# Altium PCB ASP-1.PcbDoc (part 1 of 3) (continued)
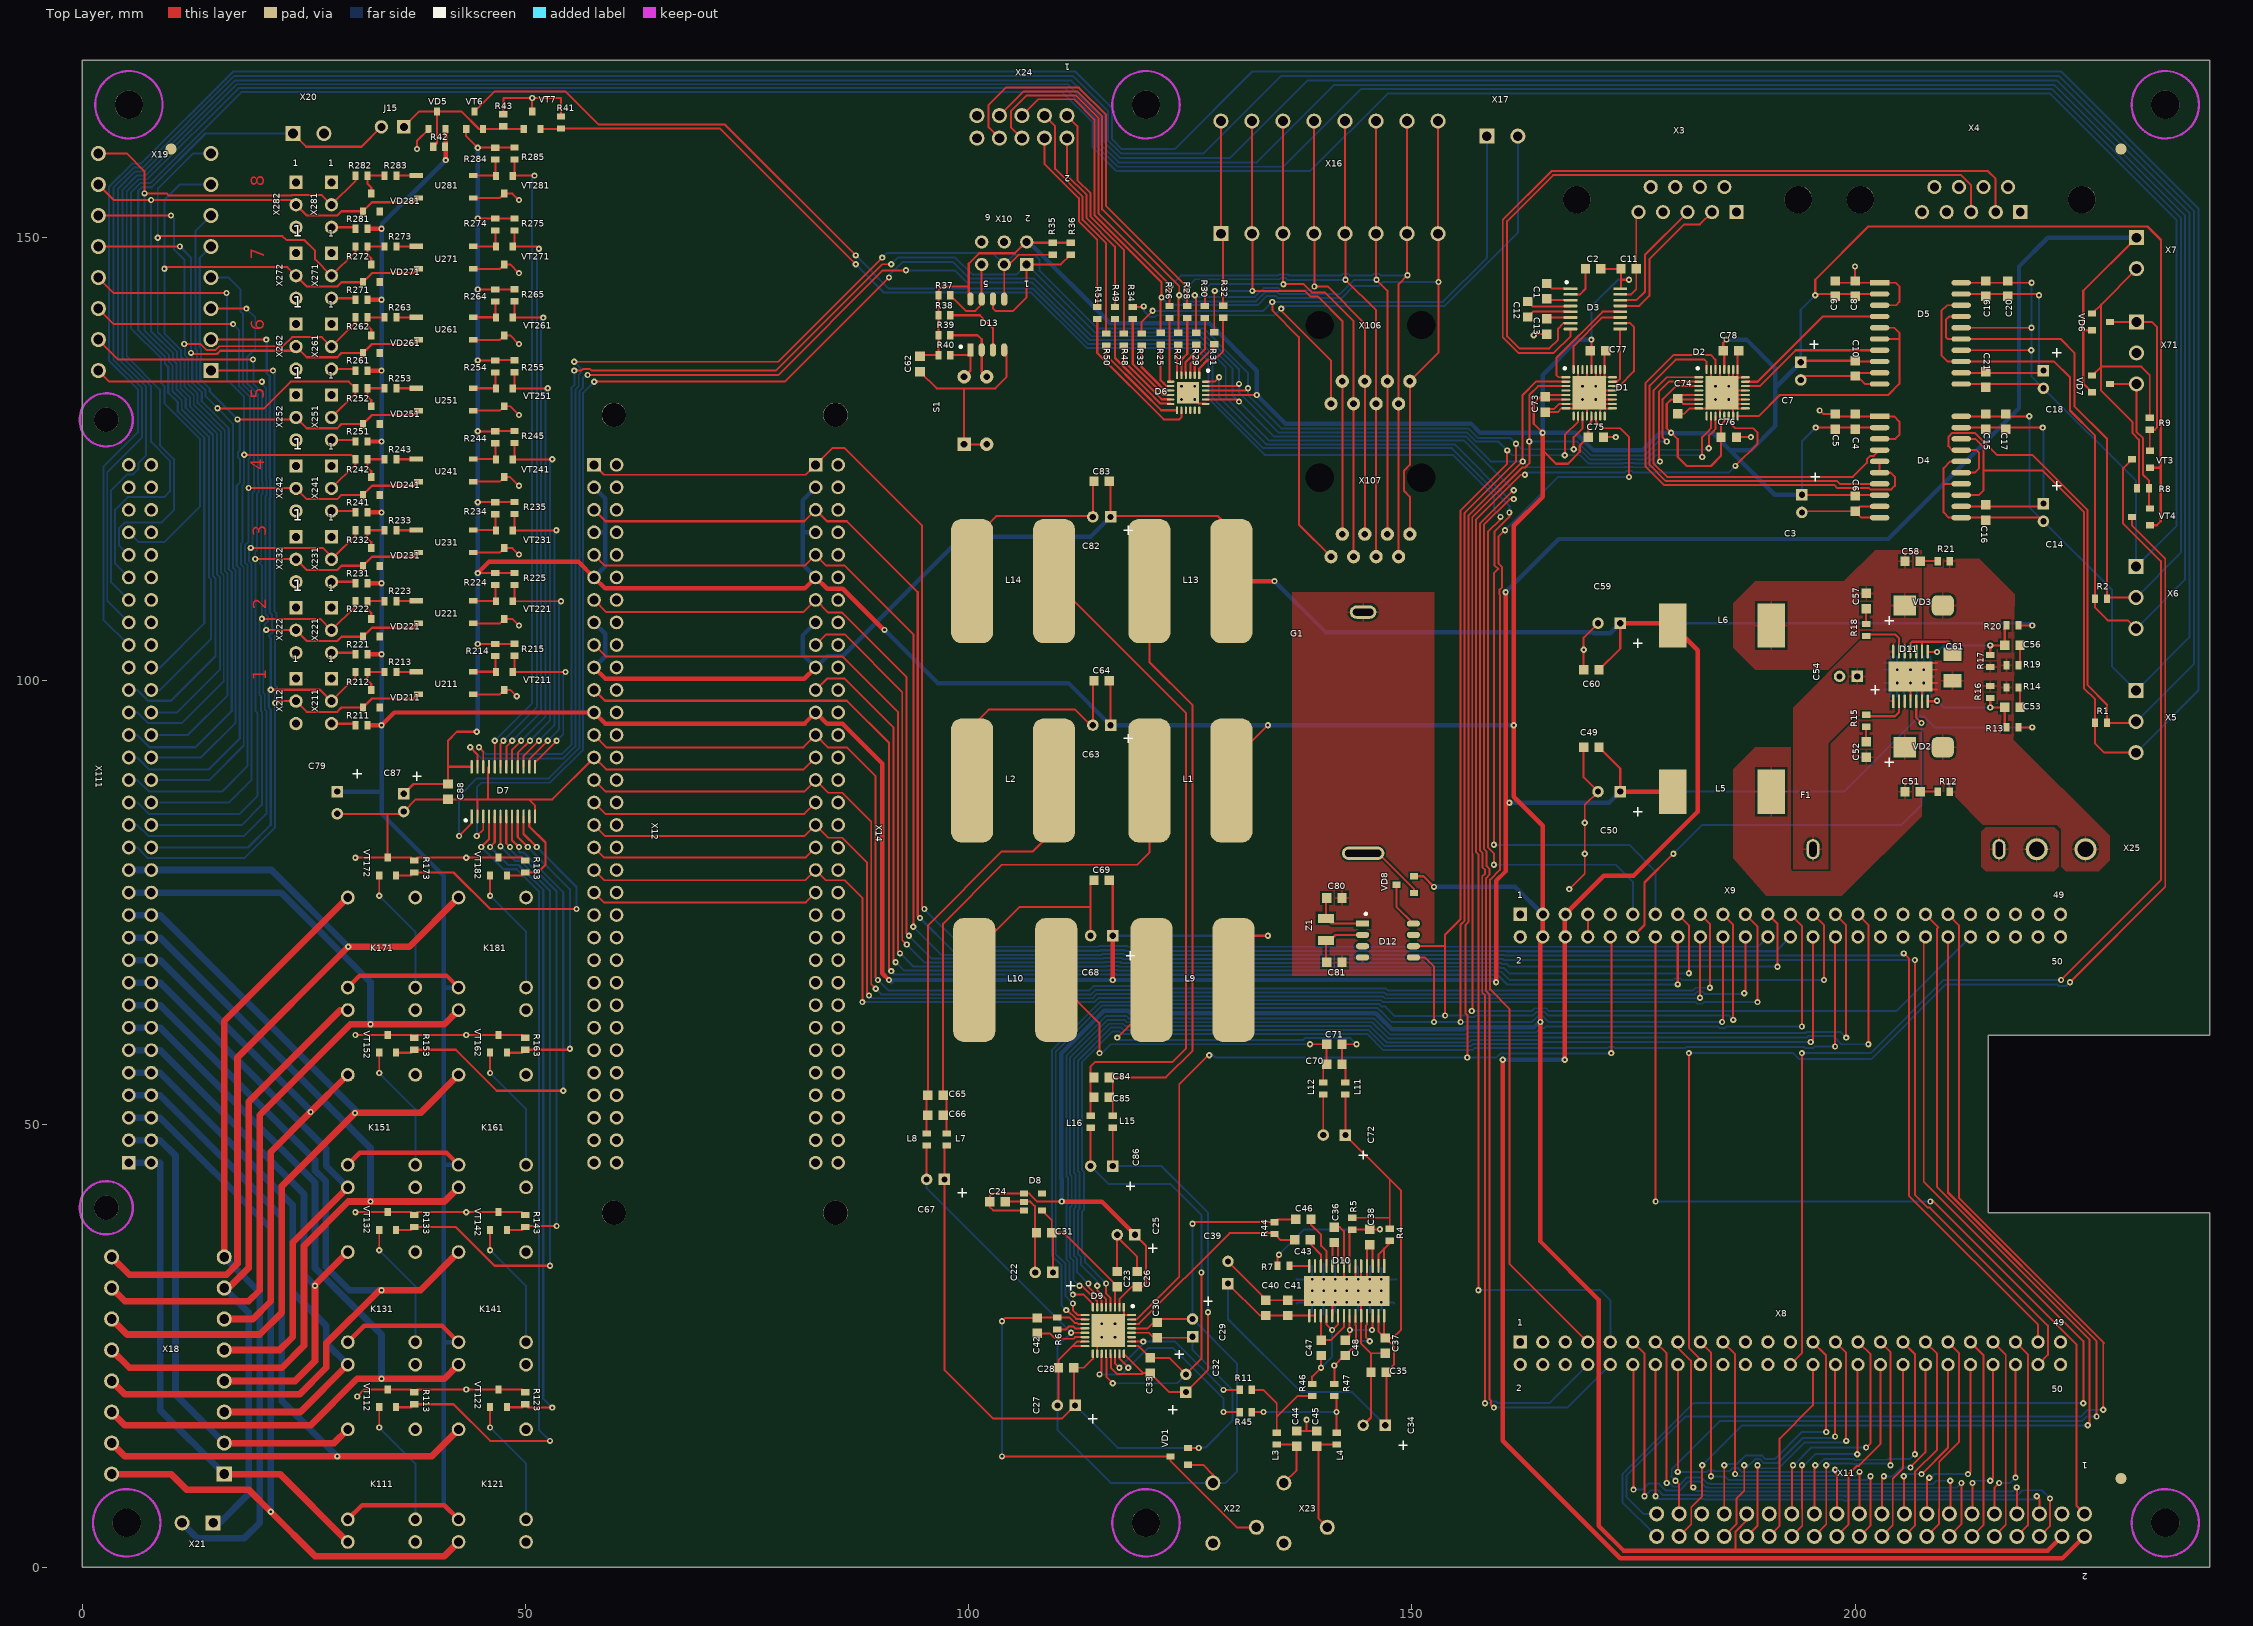
[diagram p0: Top Layer view]
## Components (designator, comment, footprint, x,y, rotation, side; value= is the part's Value field where it differs from the comment) (continued)
R272 "510" R0603 31.5,149 r180 top (schematic designator R2)
R273 "510" R0603 34.75,149 r180 top (schematic designator R3)
R274 "4.7K" R0603 46.6,151.48 r90 top (schematic designator R4)
R275 "4.7K" R0603 48.75,151.5 r90 top (schematic designator R5)
R281 "510" R0603 31.5,151 r180 top (schematic designator R1)
R282 "510" R0603 31.5,157 r180 top (schematic designator R2)
R283 "510" R0603 34.75,157 r180 top (schematic designator R3)
R284 "4.7K" R0603 46.6,159.48 r90 top (schematic designator R4)
R285 "4.7K" R0603 48.75,159.5 r90 top (schematic designator R5)
S1 "SW DIP-2" DipSw2 100.75,130.5 r0 top
U211 "MOC207M" SOP4 41,99.75 r0 top (schematic designator U1)
U221 "MOC207M" SOP4 41,107.75 r0 top (schematic designator U1)
U231 "MOC207M" SOP4 41,115.75 r0 top (schematic designator U1)
U241 "MOC207M" SOP4 41,123.75 r0 top (schematic designator U1)
U251 "MOC207M" SOP4 41,131.75 r0 top (schematic designator U1)
U261 "MOC207M" SOP4 41,139.75 r0 top (schematic designator U1)
U271 "MOC207M" SOP4 41,147.75 r0 top (schematic designator U1)
U281 "MOC207M" SOP4 41,155.75 r0 top (schematic designator U1)
VD1 "BAT54S" SOT23 123.75,12.5 r90 top
VD2 "MBRA340" DiodeSMB 207.75,92.5 r180 top
VD3 "MBRA340" DiodeSMB 207.75,108.5 r180 top
VD5 "BAT54S" SOT23 40,163.25 r0 top
VD6 "BAT54S" SOT23 227.75,140.5 r270 top
VD7 "BAT54S" SOT23 227.75,133.5 r270 top
VD8 "BAT54C" SOT23 149.25,77 r90 top
VD211 "BAT54S" SOT23 32.6,97.98 r0 top (schematic designator VD1)
VD221 "BAT54S" SOT23 32.6,105.98 r0 top (schematic designator VD1)
VD231 "BAT54S" SOT23 32.6,113.98 r0 top (schematic designator VD1)
VD241 "BAT54S" SOT23 32.6,121.98 r0 top (schematic designator VD1)
VD251 "BAT54S" SOT23 32.6,129.98 r0 top (schematic designator VD1)
VD261 "BAT54S" SOT23 32.6,137.98 r0 top (schematic designator VD1)
VD271 "BAT54S" SOT23 32.6,145.98 r0 top (schematic designator VD1)
VD281 "BAT54S" SOT23 32.6,153.98 r0 top (schematic designator VD1)
VT3 "BSS138LT3G" SOT23 232.25,125 r90 top
VT4 "BSS138LT3G" SOT23 232.25,118.5 r90 top
VT6 "BSS138LT3G" SOT23 44.25,163.25 r0 top
VT7 "BSS138LT3G" SOT23 50.75,163.25 r0 top
VT112 "BSS138LT3G" SOT23 34.44,19.05 r0 top (schematic designator VT2)
VT122 "BSS138LT3G" SOT23 46.94,19.05 r0 top (schematic designator VT2)
VT132 "BSS138LT3G" SOT23 34.44,39.05 r0 top (schematic designator VT2)
VT142 "BSS138LT3G" SOT23 46.94,39.05 r0 top (schematic designator VT2)
VT152 "BSS138LT3G" SOT23 34.44,59.05 r0 top (schematic designator VT2)
VT162 "BSS138LT3G" SOT23 46.94,59.05 r0 top (schematic designator VT2)
VT172 "BSS138LT3G" SOT23 34.44,79.05 r0 top (schematic designator VT2)
VT182 "BSS138LT3G" SOT23 46.94,79.05 r0 top (schematic designator VT2)
VT211 "BSS138LT3G" SOT23 47.6,99.98 r180 top (schematic designator VT1)
VT221 "BSS138LT3G" SOT23 47.6,107.98 r180 top (schematic designator VT1)
VT231 "BSS138LT3G" SOT23 47.6,115.98 r180 top (schematic designator VT1)
VT241 "BSS138LT3G" SOT23 47.6,123.98 r180 top (schematic designator VT1)
VT251 "BSS138LT3G" SOT23 47.6,131.98 r180 top (schematic designator VT1)
VT261 "BSS138LT3G" SOT23 47.6,139.98 r180 top (schematic designator VT1)
VT271 "BSS138LT3G" SOT23 47.6,147.98 r180 top (schematic designator VT1)
VT281 "BSS138LT3G" SOT23 47.6,155.98 r180 top (schematic designator VT1)
X3 "D Connector 9" "DSUB MALE R/A" 181.1,154.3 r180 top
X4 "D Connector 9" "DSUB MALE R/A" 213.1,154.3 r180 top
X5 "Клеммник RS485" 15EDGRC-3.5-3 231.7,98.9 r0 top
X6 "Клеммник RS485" 15EDGRC-3.5-3 231.7,112.9 r0 top
X7 "Клеммник под Wiegand" 15EDGRC-3.5-2 231.75,150 r0 top
X8 "Header 25X2" HDR2X25 192.705,24.126 r0 top
X9 "Header 25X2" HDR2X25 192.705,72.386 r0 top
X10 "Header 3X2" HDR2X3 104,148.25 r180 top
X11 "Header 20X2" IDC-40 201.75,4.75 r180 top
X12 "Header 10X2" "DIN 41612 B VERTICAL" 59,85 r0 top
X14 "Header 10X2" "DIN 41612 B VERTICAL" 84,85 r0 top
X16 "Клеммник кнопок 1" 15EDGRT-3.5-16 128.45,150.45 r90 top
X17 "Клеммник кнопок 2" 15EDGRC-3.5-2 158.45,161.45 r90 top
X18 "Клеммник реле" 15EDGRT-3.5-16 16,10.5 r180 top
X19 "Клеммник сенсоров" 15EDGRT-3.5-16 14.5,135 r180 top
X20 "Клеммник под арбитраж" 15EDGRC-3.5-2 23.75,161.75 r90 top
X21 "Клеммник подсветки кнопки" 15EDGRC-3.5-2 14.75,5 r270 top
X22 "Jack mono" "Audio Jack AUB13" 130,2.7 r0 top
X23 "Jack mono" "Audio Jack AUB13" 138,2.7 r0 top
X24 "Клеммник NumPad" IDC-10 106,162.5 r180 top
X25 "Питание" MF-02RA 220.5,81 r90 top
X71 "Клеммник под Wiegand" 15EDGRC-3.5-3 231.75,140.5 r0 top
X106 "RJ45 под сервисный пульт 1" "RJ45 Vert FCI 90598-001LFc" 145.325,140.15 r270 top
X107 "RJ45 под сервисный пульт 2" "RJ45 Vert FCI 90598-001LFc" 145.325,122.9 r270 top
X111 "DIN 41612 RAQ" "DIN 41612 B RA" 6.5,85 r180 top
X211 "Header 3" "HDR1X3 100mil" 28.1,98.98 r0 top (schematic designator X1)
X212 "Header 3" "HDR1X3 100mil" 24.1,98.98 r0 top (schematic designator X2)
X221 "Header 3" "HDR1X3 100mil" 28.1,106.98 r0 top (schematic designator X1)
X222 "Header 3" "HDR1X3 100mil" 24.1,106.98 r0 top (schematic designator X2)
X231 "Header 3" "HDR1X3 100mil" 28.1,114.98 r0 top (schematic designator X1)
X232 "Header 3" "HDR1X3 100mil" 24.1,114.98 r0 top (schematic designator X2)
X241 "Header 3" "HDR1X3 100mil" 28.1,122.98 r0 top (schematic designator X1)
X242 "Header 3" "HDR1X3 100mil" 24.1,122.98 r0 top (schematic designator X2)
X251 "Header 3" "HDR1X3 100mil" 28.1,130.98 r0 top (schematic designator X1)
X252 "Header 3" "HDR1X3 100mil" 24.1,130.98 r0 top (schematic designator X2)
X261 "Header 3" "HDR1X3 100mil" 28.1,138.98 r0 top (schematic designator X1)
X262 "Header 3" "HDR1X3 100mil" 24.1,138.98 r0 top (schematic designator X2)
X271 "Header 3" "HDR1X3 100mil" 28.1,146.98 r0 top (schematic designator X1)
X272 "Header 3" "HDR1X3 100mil" 24.1,146.98 r0 top (schematic designator X2)
X281 "Header 3" "HDR1X3 100mil" 28.1,154.98 r0 top (schematic designator X1)
X282 "Header 3" "HDR1X3 100mil" 24.1,154.98 r0 top (schematic designator X2)
Z1 "XTAL 32.786kHz" Q1206 140.3,71.95 r270 top

## Footprints (in the part's own frame and the unit in brackets; to place one, negate y for a bottom-side part, rotate by r counter-clockwise, add the part's x,y. Pads: shape width x height; smd on the part's side, far side on the other; paste and mask are expansions set on the pad)
15EDGRC-3.5-2 [mm]
  rect 1.7x1.7 hole 1.1: 1(0,0)
  round 1.7 hole 1.1: 2(0,-3.5)
  body extent -1.2,-5.75 8,2.35, height 7
15EDGRC-3.5-3 [mm]
  rect 1.7x1.7 hole 1.1: 1(0,0)
  round 1.7 hole 1.1: 2(0,-3.5) 3(0,-7)
  body extent -1.2,-9.3 8,2.3, height 7
15EDGRT-3.5-16 [mm]
  rect 1.7x1.7 hole 1.1: 1(0,0)
  round 1.7 hole 1.1: 2(12.7,0) 3(0,-3.5) 4(12.7,-3.5) 5(0,-7) 6(12.7,-7) 7(0,-10.5) 8(12.7,-10.5) 9(0,-14) 10(12.7,-14) 11(0,-17.5) 12(12.7,-17.5) 13(0,-21) 14(12.7,-21) 15(0,-24.5) 16(12.7,-24.5)
  body extent -3.1,-26.95 18.8,2.45, height 22.55
"Audio Jack AUB13" [mm]
  round 1.7 hole 1.1: 1(-2.45,6.8) 2(2.45,1.8) 3(-2.45,0)
  body extent -3,-6 3,8.7, height 5.5
"BATHLD MPD BC2032-E2" [mm]
  oval 1.5x4.8 hole 0.8 slot 4.1 at 90 deg: +(-13.6,0)
  oval 1.5x3 hole 0.8 slot 2.3 at 90 deg: -(13.6,0)
  body extent -14.48,-10.67 14.48,10.67, height 5.08
C0603 [mm] "0603 capacitor"
  rect 1.05x1.08 smd: 1(-0.865,0) 2(0.865,0)
  body extent -0.8,-0.4 0.8,0.4, height 0.8
C1206 [mm] "1206 capacitor"
  rect 1.5x2 smd: 1(-1.5,0) 2(1.5,0)
  body extent -1.6,-0.8 1.6,0.8, height 1.6
"DIN 41612 B RA" [mm] "DIN 41612 B plug"
  round 2.75 hole 2.75 unplated: 0(3.81,44.45) 0(3.81,-44.45)
  rect 1.55x1.55 hole 1: A1(1.27,39.37)
  round 1.55 hole 1: A2(1.27,36.83) A3(1.27,34.29) A4(1.27,31.75) A5(1.27,29.21) A6(1.27,26.67) A7(1.27,24.13) A8(1.27,21.59) A9(1.27,19.05) A10(1.27,16.51) A11(1.27,13.97) A12(1.27,11.43) A13(1.27,8.89) A14(1.27,6.35) A15(1.27,3.81) A16(1.27,1.27) A17(1.27,-1.27) A18(1.27,-3.81) A19(1.27,-6.35) A20(1.27,-8.89) A21(1.27,-11.43) A22(1.27,-13.97) A23(1.27,-16.51) A24(1.27,-19.05) A25(1.27,-21.59) A26(1.27,-24.13) A27(1.27,-26.67) A28(1.27,-29.21) A29(1.27,-31.75) A30(1.27,-34.29) A31(1.27,-36.83) A32(1.27,-39.37) B1(-1.27,39.37) B2(-1.27,36.83) B3(-1.27,34.29) B4(-1.27,31.75) B5(-1.27,29.21) B6(-1.27,26.67) B7(-1.27,24.13) B8(-1.27,21.59) B9(-1.27,19.05) B10(-1.27,16.51) B11(-1.27,13.97) B12(-1.27,11.43) B13(-1.27,8.89) B14(-1.27,6.35) B15(-1.27,3.81) B16(-1.27,1.27) B17(-1.27,-1.27) B18(-1.27,-3.81) B19(-1.27,-6.35) B20(-1.27,-8.89) B21(-1.27,-11.43) B22(-1.27,-13.97) B23(-1.27,-16.51) B24(-1.27,-19.05) B25(-1.27,-21.59) B26(-1.27,-24.13) B27(-1.27,-26.67) B28(-1.27,-29.21) B29(-1.27,-31.75) B30(-1.27,-34.29) B31(-1.27,-36.83) B32(-1.27,-39.37)
  body extent -1.59,-46.92 13.92,46.93, height 6.92
"DIN 41612 B VERTICAL" [mm] "DIN 41612 B receptacle"
  round 2.75 hole 2.75 unplated: 0(0.97,-45) 0(0.97,45)
  rect 1.55x1.55 hole 1: A1(-1.27,39.37)
  round 1.55 hole 1: A2(-1.27,36.83) A3(-1.27,34.29) A4(-1.27,31.75) A5(-1.27,29.21) A6(-1.27,26.67) A7(-1.27,24.13) A8(-1.27,21.59) A9(-1.27,19.05) A10(-1.27,16.51) A11(-1.27,13.97) A12(-1.27,11.43) A13(-1.27,8.89) A14(-1.27,6.35) A15(-1.27,3.81) A16(-1.27,1.27) A17(-1.27,-1.27) A18(-1.27,-3.81) A19(-1.27,-6.35) A20(-1.27,-8.89) A21(-1.27,-11.43) A22(-1.27,-13.97) A23(-1.27,-16.51) A24(-1.27,-19.05) A25(-1.27,-21.59) A26(-1.27,-24.13) A27(-1.27,-26.67) A28(-1.27,-29.21) A29(-1.27,-31.75) A30(-1.27,-34.29) A31(-1.27,-36.83) A32(-1.27,-39.37) B1(1.27,39.37) B2(1.27,36.83) B3(1.27,34.29) B4(1.27,31.75) B5(1.27,29.21) B6(1.27,26.67) B7(1.27,24.13) B8(1.27,21.59) B9(1.27,19.05) B10(1.27,16.51) B11(1.27,13.97) B12(1.27,11.43) B13(1.27,8.89) B14(1.27,6.35) B15(1.27,3.81) B16(1.27,1.27) B17(1.27,-1.27) B18(1.27,-3.81) B19(1.27,-6.35) B20(1.27,-8.89) B21(1.27,-11.43) B22(1.27,-13.97) B23(1.27,-16.51) B24(1.27,-19.05) B25(1.27,-21.59) B26(1.27,-24.13) B27(1.27,-26.67) B28(1.27,-29.21) B29(1.27,-31.75) B30(1.27,-34.29) B31(1.27,-36.83) B32(1.27,-39.37)
  body extent -4.03,-46.93 4.02,46.93, height 12
DiodeSMB [mm] "SMB Diode"
  rrect50% 2.5x2.3 smd: 1(-2.15,0)
  rect 2.5x2.3 smd: 2(2.15,0)
  silkscreen extent 3.4,1.2 4.4,2.2, body extent -2.25,-1.95 2.25,1.95, height 2.5
DipSw2 [mil]
  rect 60x60 hole 30: 1(-50,-150)
  round 60 hole 30: 2(-50,150) 3(50,-150) 4(50,150)
  body extent -129,-195 129,195, height 307
"DSUB MALE R/A" [mm]
  round 3.1 hole 3.1 unplated: 0(-12.5,0) 0(12.5,0)
  rect 1.6x1.6 hole 1: 1(-5.54,1.42)
  round 1.6 hole 1: 2(-2.77,1.42) 3(0,1.42) 4(2.77,1.42) 5(5.54,1.42) 6(-4.155,-1.42) 7(-1.385,-1.42) 8(1.385,-1.42) 9(4.155,-1.42)
  body extent -15.41,-15.7 15.4,3.45, height 12.55
"Fuse hld fh-101" [mm]
  oval 1.5x2.3 hole 0.8 slot 1.7 at 90 deg: 1(-10.5,0) 2(10.5,0)
  body extent -12,-4.9 12,4.9, height 11
"HDR1X3 100mil" [mm] "Connector; Header; 23x2 Position"
  rect 1.5x1.5 hole 0.9: 1(0,1.27)
  round 1.5 hole 0.9: 2(0,-1.27) 3(0,-3.81)
  body extent -1.27,-5.08 1.27,2.54, height 10.29
HDR2X1 [mm] "Connector; Header; 23x2 Position"
  rect 1.5x1.5 hole 0.9: 1(0,1.27)
  round 1.5 hole 0.9: 2(0,-1.27)
  body extent -1.27,-2.54 1.27,2.54, height 10.29
HDR2X3 [mm] "Connector; Header; 23x2 Position"
  rect 1.5x1.5 hole 0.9: 1(-2.54,1.27)
  round 1.5 hole 0.9: 2(-2.54,-1.27) 3(0,1.27) 4(0,-1.27) 5(2.54,1.27) 6(2.54,-1.27)
  body extent -3.81,-2.54 3.81,2.54, height 10.29
HDR2X25 [mm] "Connector; Header; 23x2 Position"
  rect 1.5x1.5 hole 0.9: 1(-30.48,1.27)
  round 1.5 hole 0.9: 2(-30.48,-1.27) 3(-27.94,1.27) 4(-27.94,-1.27) 5(-25.4,1.27) 6(-25.4,-1.27) 7(-22.86,1.27) 8(-22.86,-1.27) 9(-20.32,1.27) 10(-20.32,-1.27) 11(-17.78,1.27) 12(-17.78,-1.27) 13(-15.24,1.27) 14(-15.24,-1.27) 15(-12.7,1.27) 16(-12.7,-1.27) 17(-10.16,1.27) 18(-10.16,-1.27) 19(-7.62,1.27) 20(-7.62,-1.27) 21(-5.08,1.27) 22(-5.08,-1.27) 23(-2.54,1.27) 24(-2.54,-1.27) 25(0,1.27) 26(0,-1.27) 27(2.54,1.27) 28(2.54,-1.27) 29(5.08,1.27) 30(5.08,-1.27) 31(7.62,1.27) 32(7.62,-1.27) 33(10.16,1.27) 34(10.16,-1.27) 35(12.7,1.27) 36(12.7,-1.27) 37(15.24,1.27) 38(15.24,-1.27) 39(17.78,1.27) 40(17.78,-1.27) 41(20.32,1.27) 42(20.32,-1.27) 43(22.86,1.27) 44(22.86,-1.27) 45(25.4,1.27) 46(25.4,-1.27) 47(27.94,1.27) 48(27.94,-1.27) 49(30.48,1.27) 50(30.48,-1.27)
  body extent -31.75,-2.54 31.75,2.54, height 10.29
HTSSOP14 [mm] "14Pin PowerPAD Plastic Small Outline"
  rect 1.55x0.25 smd: 1(-2.8,1.95)
  oval 1.55x0.25 smd: 2(-2.8,1.3) 3(-2.8,0.65) 4(-2.8,0) 5(-2.8,-0.65) 6(-2.8,-1.3) 7(-2.8,-1.95) 8(2.8,-1.95) 9(2.8,-1.3) 10(2.8,-0.65) 11(2.8,0) 12(2.8,0.65) 13(2.8,1.3) 14(2.8,1.95)
  rect 3.4x5 smd paste-2.5 mask-2.5: 15(0,0)
  body extent -2.22,-2.6 2.22,2.6, height 1.2
HTSSOP28 [mm] "28Pin PowerPAD Plastic Small Outline"
  rect 1.55x0.25 smd: 1(-2.8,4.225)
  oval 1.55x0.25 smd: 2(-2.8,3.575) 3(-2.8,2.925) 4(-2.8,2.275) 5(-2.8,1.625) 6(-2.8,0.975) 7(-2.8,0.325) 8(-2.8,-0.325) 9(-2.8,-0.975) 10(-2.8,-1.625) 11(-2.8,-2.275) 12(-2.8,-2.925) 13(-2.8,-3.575) 14(-2.8,-4.225) 15(2.8,-4.225) 16(2.8,-3.575) 17(2.8,-2.925) 18(2.8,-2.275) 19(2.8,-1.625) 20(2.8,-0.975) 21(2.8,-0.325) 22(2.8,0.325) 23(2.8,0.975) 24(2.8,1.625) 25(2.8,2.275) 26(2.8,2.925) 27(2.8,3.575) 28(2.8,4.225)
  rect 3.4x9.7 smd paste-5 mask-5: 29(0,0)
  body extent -2.2,-4.85 2.2,4.85, height 1.2
HVQFN32 [mm] "32-Pin Quad Flat No-leads Pack Thermal Enhanced"
  rrect50% 1x0.25 smd: 1(-2.625,1.75)
  oval 1x0.25 smd: 2(-2.625,1.25) 3(-2.625,0.75) 4(-2.625,0.25) 5(-2.625,-0.25) 6(-2.625,-0.75) 7(-2.625,-1.25) 8(-2.625,-1.75) 17(2.625,-1.75) 18(2.625,-1.25) 19(2.625,-0.75) 20(2.625,-0.25) 21(2.625,0.25) 22(2.625,0.75) 23(2.625,1.25) 24(2.625,1.75)
  oval 0.25x1 smd: 9(-1.75,-2.625) 10(-1.25,-2.625) 11(-0.75,-2.625) 12(-0.25,-2.625) 13(0.25,-2.625) 14(0.75,-2.625) 15(1.25,-2.625) 16(1.75,-2.625) 25(1.75,2.625) 26(1.25,2.625) 27(0.75,2.625) 28(0.25,2.625) 29(-0.25,2.625) 30(-0.75,2.625) 31(-1.25,2.625) 32(-1.75,2.625)
  rect 3.75x3.75 smd paste-4: 33(0,0)
  Top Layer pour cut-out: -2.5,2.5 -2,2.5 -2,2 -2.5,2
  silkscreen extent -2.87,2.63 -2.62,2.87, body extent -2.5,-2.5 2.5,2.5, height 0.8
I0603 [mm] "0603 Inductor"
  rect 0.7x0.95 smd: 1(-0.675,0) 2(0.675,0)
  body extent -0.77,-0.43 0.77,0.43, height 0.8
IDC-10 [mm] "10 Pin IDC Plug TH"
  round 1.7 hole 1.1: 1(-5.08,-1.27) 2(-5.08,1.27) 3(-2.54,-1.27) 4(-2.54,1.27) 5(0,-1.27) 6(0,1.27) 7(2.54,-1.27) 8(2.54,1.27) 9(5.08,-1.27) 10(5.08,1.27)
  body extent -8.25,-4.64 8.26,4.64, height 8.89
IDC-40 [mm] "40 Pin IDC Plug TH"
  round 1.7 hole 1.1: 1(-24.13,-1.27) 2(-24.13,1.27) 3(-21.59,-1.27) 4(-21.59,1.27) 5(-19.05,-1.27) 6(-19.05,1.27) 7(-16.51,-1.27) 8(-16.51,1.27) 9(-13.97,-1.27) 10(-13.97,1.27) 11(-11.43,-1.27) 12(-11.43,1.27) 13(-8.89,-1.27) 14(-8.89,1.27) 15(-6.35,-1.27) 16(-6.35,1.27) 17(-3.81,-1.27) 18(-3.81,1.27) 19(-1.27,-1.27) 20(-1.27,1.27) 21(1.27,-1.27) 22(1.27,1.27) 23(3.81,-1.27) 24(3.81,1.27) 25(6.35,-1.27) 26(6.35,1.27) 27(8.89,-1.27) 28(8.89,1.27) 29(11.43,-1.27) 30(11.43,1.27) 31(13.97,-1.27) 32(13.97,1.27) 33(16.51,-1.27) 34(16.51,1.27) 35(19.05,-1.27) 36(19.05,1.27) 37(21.59,-1.27) 38(21.59,1.27) 39(24.13,-1.27) 40(24.13,1.27)
  body extent -27.3,-4.64 27.3,4.64, height 8.89
MF-02RA [mm]
  round 2.5 hole 1.8: 1(0,0) 2(0,-5.5)
  body extent -3.3,-19.43 3.3,0.5, height 11.4
Q1206 [mm] "1206 quartz"
  rect 1x1.8 smd: 1(-1.25,0) 2(1.25,0)
  body extent -1.6,-0.75 1.6,0.75, height 0.8
R0603 [mm] "0603 Resistor"
  rect 0.7x0.95 smd: 1(-0.675,0) 2(0.675,0)
  body extent -0.77,-0.43 0.77,0.43, height 0.55
RAD-2-5-11 [mm] "Cap Radial 5x11 mm"
  rect 1.3x1.3 hole 0.7: 1(0,-1)
  round 1.3 hole 0.7: 2(0,1)
  silkscreen extent -2,-3.5 -1,-2.5, body extent -2.5,-2.5 2.5,2.5, height 11
RAD-2.5-6.3-11 [mm] "Cap Radial 6.3x11 mm"
  rect 1.3x1.3 hole 0.7: 1(0,-1.25)
  round 1.3 hole 0.7: 2(0,1.25)
  silkscreen extent -2.75,-3.75 -1.75,-2.75, body extent -3.15,-3.15 3.15,3.15, height 11
"RJ45 Vert FCI 90598-001LFc" [mm]
  round 0 hole 3.2 unplated: 0(0,5.715) 0(0,-5.715)
  round 1.5 hole 0.762: 1(6.35,4.445) 2(8.89,3.175) 3(6.35,1.905) 4(8.89,0.635) 5(6.35,-0.635) 6(8.89,-1.905) 7(6.35,-3.175) 8(8.89,-4.445)
  body extent -6.47,-8.89 9.91,8.89, height 15.66
SDR1307 [mm] "Inductor"
  rrect50% 4.75x14 smd: 1(-4.625,0) 2(4.625,0)
  body extent -6.5,-6.5 6.5,6.5, height 7
"SO20 300mil" [mm] "20-Pin SOIC 300mil 7.6mm"
  rect 2.2x0.6 smd: 1(-4.6,5.715)
  oval 2.2x0.6 smd: 2(-4.6,4.445) 3(-4.6,3.175) 4(-4.6,1.905) 5(-4.6,0.635) 6(-4.6,-0.635) 7(-4.6,-1.905) 8(-4.6,-3.175) 9(-4.6,-4.445) 10(-4.6,-5.715) 11(4.6,-5.715) 12(4.6,-4.445) 13(4.6,-3.175) 14(4.6,-1.905) 15(4.6,-0.635) 16(4.6,0.635) 17(4.6,1.905) 18(4.6,3.175) 19(4.6,4.445) 20(4.6,5.715)
  body extent -3.8,-6.5 3.8,6.5, height 2.65
"soic8 4mm" [mm] "8-Pin SOIC 153 mil 4 mm"
  rect 1.5x0.7 smd: 1(-2.87,1.905)
  oval 1.5x0.7 smd: 2(-2.87,0.635) 3(-2.87,-0.635) 4(-2.87,-1.905) 5(2.87,-1.905) 6(2.87,-0.635) 7(2.87,0.635) 8(2.87,1.905)
  silkscreen extent -2.62,2.88 -2.37,3.12, body extent -2,-2.5 2,2.5, height 1.75
"SOIC8 4mm" [mm] "8-Pin SOIC 153 mil 4 mm"
  rect 1.5x0.7 smd: 1(-2.87,1.905)
  oval 1.5x0.7 smd: 2(-2.87,0.635) 3(-2.87,-0.635) 4(-2.87,-1.905) 5(2.87,-1.905) 6(2.87,-0.635) 7(2.87,0.635) 8(2.87,1.905)
  silkscreen extent -2.62,2.87 -2.38,3.12, body extent -2,-2.5 2,2.5, height 1.75
SOP4 [mm]
  rect 1.5x0.6 smd: 1(-3.35,1.27)
  rect 1x0.6 smd: 2(-3.1,-1.27) 3(3.1,-1.27) 4(3.1,1.27)
  body extent -2.2,-1.6 2.2,1.6, height 2
SOT23 [mm]
  rect 0.7x0.9 smd: 1(-0.95,-1) 2(0.95,-1) 3(0,1)
  body extent -1.55,-0.6 1.55,0.6, height 1.15
sot25 [mm]
  rect 0.7x0.9 smd: 1(0.95,1) 2(0,1) 3(-0.95,1.025) 4(-0.95,-1) 5(0.95,-1)
  body extent -1.55,-0.6 1.55,0.6, height 1.15
SRP1265A [mm] "Bourns Power Inductor"
  rect 3.1x5 smd: 1(-5.55,0) 2(5.55,0)
  body extent -6.75,-6.25 6.75,6.25, height 6.2
TRB [mm] "TRB Relay"
  round 1.55 hole 1: 1(-3.81,6.35) 2(-3.81,-3.81) 3(-3.81,-6.35) 4(3.81,-6.35) 5(3.81,-3.81) 6(3.81,6.35)
  body extent -5.2,-7.85 5.2,7.85, height 11.7
TSSOP16 [mm]
  rect 1.55x0.3 smd: 1(-2.8,2.275)
  rrect50% 1.55x0.3 smd: 2(-2.8,1.625) 3(-2.8,0.975) 4(-2.8,0.325) 5(-2.8,-0.325) 6(-2.8,-0.975) 7(-2.8,-1.625) 8(-2.8,-2.275) 9(2.8,-2.275) 10(2.8,-1.625) 11(2.8,-0.975) 12(2.8,-0.325) 13(2.8,0.325) 14(2.8,0.975) 15(2.8,1.625) 16(2.8,2.275)
  silkscreen extent -3.37,2.88 -3.13,3.12, body extent -2.25,-2.55 2.25,2.55, height 1.2
TSSOP24 [mm]
  rect 1.55x0.25 smd: 1(-2.8,3.575)
  oval 1.55x0.25 smd: 2(-2.8,2.925) 3(-2.8,2.275) 4(-2.8,1.625) 5(-2.8,0.975) 6(-2.8,0.325) 7(-2.8,-0.325) 8(-2.8,-0.975) 9(-2.8,-1.625) 10(-2.8,-2.275) 11(-2.8,-2.925) 12(-2.8,-3.575) 13(2.8,-3.575) 14(2.8,-2.925) 15(2.8,-2.275) 16(2.8,-1.625) 17(2.8,-0.975) 18(2.8,-0.325) 19(2.8,0.325) 20(2.8,0.975) 21(2.8,1.625) 22(2.8,2.275) 23(2.8,2.925) 24(2.8,3.575)
  silkscreen extent -3.37,4.12 -3.13,4.37, body extent -2.25,-3.95 2.25,3.95, height 1.2
WQFN24 [mm]
  rrect50% 0.85x0.25 smd: 1(-1.975,1.25)
  oval 0.85x0.25 smd: 2(-1.975,0.75) 3(-1.975,0.25) 4(-1.975,-0.25) 5(-1.975,-0.75) 6(-1.975,-1.25) 13(1.975,-1.25) 14(1.975,-0.75) 15(1.975,-0.25) 16(1.975,0.25) 17(1.975,0.75) 18(1.975,1.25)
  oval 0.25x0.85 smd: 7(-1.25,-1.975) 8(-0.75,-1.975) 9(-0.25,-1.975) 10(0.25,-1.975) 11(0.75,-1.975) 12(1.25,-1.975) 19(1.25,1.975) 20(0.75,1.975) 21(0.25,1.975) 22(-0.25,1.975) 23(-0.75,1.975) 24(-1.25,1.975)
  rect 2.45x2.45 smd paste-3: 25(0,0)
  Top Layer pour cut-out: -2,2 -1.5,2 -1.5,1.5 -2,1.5
  silkscreen extent -2.62,2.13 -2.38,2.38, body extent -2,-2 2,2, height 0.8

## Part data
C1 C2 C4 C5 C6 C8 C9 C10 C11 C12 C13 C15 C16 C17 C19 C20 C21 C23 C24 C26 C28 C30 C31 C33 C35 C36 C37 C38 C40 C41 C42 C43 C44 C45 C46 C47 C48 C49 C51 C52 C53 C56 C57 C58 C60 C61 C62 C64 C65 C66 C69 C70 C71 C73 C74 C75 C76 C77 C78 C80 C81 C83 C84 C85 C88: library part Cap, "Capacitor"
C3 C7 C14 C18 C22 C25 C27 C29 C32 C54 C87: library part "Cap Pol3", "Polarized Capacitor (Surface Mount)"
C34 C39 C50 C59 C63 C67 C68 C72 C79 C82 C86: library part "Cap Pol3", "Polarized Capacitor (Axial)"
D3: library part TRS3232ECPWR, "RS-232 Line Driver/ Receiver"
D6: "I2C Keypad Scan IC"
D7: "Remote 16-Bit I2C and SMBus"
D8: "Single 150mA LDO"
D9: "Low-Power Audio CODEC"
D10: "10 W Mono Class-D Amplifier"
D12: library part PCF8563, "Real Time Clock"
D13: "256 kb Serial CMOS EEPROM"
F1: "Fuse"
G1: "2032 Battery holder"
J15: "Jumper Wire"
K111 K121 K131 K141 K151 K161 K171 K181: "Single-Pole Single-Throw Relay"
L1 L2 L3 L4 L7 L8 L9 L10 L11 L12 L13 L14 L15 L16: library part Inductor, "Inductor"
L5: library part "Inductor Iron", "Magnetic-Core Inductor"
L6: library part "Inductor Iron", "Inductor 47uH 4A"
R1 R2 R12 R13 R14 R15 R16 R17 R18 R19 R20 R21 R25 R26 R27 R28 R29 R30 R31 R32 R33 R34 R35 R36 R37 R38 R39 R40 R48 R49 R50 R51 R211 R212 R213 R214 R215 R221 R222 R223 R224 R225 R231 R232 R233 R234 R235 R241 R242 R243 R244 R245 R251 R252 R253 R254 R255 R261 R262 R263 R264 R265 R271 R272 R273 R274 R275 R281 R282 R283 R284 R285: library part Res3, "Resistor"
R4 R5 R6 R7 R8 R9 R41 R42 R43 R44 R113 R123 R133 R143 R153 R163 R173 R183: library part Res2, "Resistor"
R11 R45 R46 R47: "Resistor"
S1: "DIP Switch, 2 Position, SPST"
U211 U221 U231 U241 U251 U261 U271 U281: library part Optoisolator1, "4-Pin Phototransistor Optocoupler"
VD1 VD5 VD6 VD7 VD211 VD221 VD231 VD241 VD251 VD261 VD271 VD281: library part Diode_DblSeries, "Schottky Diode"
VD2 VD3: library part "D Schottky", "Schottky Diode"
VD8: library part Diode_DblComCath, "Schottky Diode"
VT3 VT4 VT6 VT7 VT112 VT122 VT132 VT142 VT152 VT162 VT172 VT182 VT211 VT221 VT231 VT241 VT251 VT261 VT271 VT281: library part MOSFET-N, "N-Channel MOSFET"
X3 X4: "Receptacle Assembly, 9 Position, Right Angle"
X5 X6 X71: library part "Header 3", "Header, 3-Pin"
X7 X17 X20 X21 X25: library part "Header 2H", "Header, 2-Pin, Right Angle"
X8 X9: "Header, 25-Pin, Dual row"
X10: "Header, 3-Pin, Dual row"
X11: "Header, 20-Pin, Dual row"
X12 X14: "Header, 10-Pin, Dual row"
X16 X18 X19: library part "Header 8X2", "Header, 8-Pin, Dual row"
X24 X106 X107: library part "Header 8", "Header, 8-Pin"
X111: library part "DIN 41612"
X211 X212 X221 X222 X231 X232 X241 X242 X251 X252 X261 X262 X271 X272 X281 X282: "Header, 3-Pin"
Z1: library part XTAL, "Crystal Oscillator"

## Free pads (board coordinates)
  round 3.2 hole 3.2 unplated: 0(5,5) 0(5.25,165) 0(120,5) 0(120,165) 0(235,5) 0(235,165)
  rect 5x3.5 smd far side paste-5 mask-5: 0(206.25,100.5)
  rect 9.7x3.4 smd far side paste-2 mask+0.075: 2(142.65,31.175)
  rect 4x4 smd far side paste-2: 4(170,132.5)
  round 1.25 smd paste+1.25 mask-5: 5(10,160) 5(230,10) 5(230,160)

## Via types
v1: diameter 0.7, hole 0.3, Top Layer to Bottom Layer, tented both sides, 381 vias

## Nets (pads, with @x,y where several pads share a name; then routed paths per layer and width w, separated by ;. In a path a pad name is that pad's centre, name@x,y a point inside that pad or via, vN(x,y) a via of type N, cw(c..) or ccw(c..) an arc to the next point about the centre after c; other vN are vias at no path point)
AGND: C27.2 C28.1 C29.2 C30.1 C46.2 C67.2 D9.13 D9.15 D9.16 D9.29 L8.2 R44.1 VD1.1 X22.1 | length 128.4
  Top Layer w0.22: C67.2@95.25,43.75 L8.2@95.25,47.575 ; C27.2@110,18.25 110.135,18.385 C28.1@110.135,22.5 110.135,23.385 111.75,25 ; v1(111.55,26.45) D9.13@113.125,26.45 ; D9.16@113.125,24.95 111.8,24.95 111.75,25 ; D9.15@113.125,25.45 112.2,25.45 111.75,25 ; D9.29@118.375,26.95 120.2,26.95 120.865,27.615 C30.1@121.25,27.615 121.635,28 C29.2@125.25,28 ; VD1.1@124.75,11.767 VD1.1@124.75,11.55 126.45,11.55 127.55,10.45 X22.1@127.55,9.5 ; v1(125.25,38.75) 125.425,38.925 R44.1@134.5,38.925 134.825,39.25 C46.2@136.885,39.25
  Bottom Layer w0.22: C67.2@95.25,43.75 95.25,42.75 v1(111.55,26.45) 110,24.9 C27.2@110,18.25 110,15.5 116,9.5 X22.1@127.55,9.5 129,9.5 130.25,10.75 130.25,23 C29.2@125.25,28 v1(125.25,38.75)
AGND2: C34.2 C35.1 C36.1 C37.1 C38.1 C39.2 C40.1 C41.1 C44.2 C45.2 C72.2 D10.3 D10.4 D10.5 D10.6 D10.8 D10.19 D10.24 D10.29 L12.2 pad.2 | length 90.6
  Top Layer w0.22: C39.2@129.25,34.5 133.5,30.25 C40.1@133.5,30.115 C41.1@136,30.115 141.59,30.115 v1(142.65,31.175) v1(143.95,29.875) 144.275,29.55 D10.24@144.275,28.375 144.275,25.225 145.365,24.135 ; C44.2@137,15.365 138.125,15.365 ; v1(138.125,16.625) 138.125,15.365 ; C45.2@139.25,15.365 138.125,15.365 ; C72.2@140,48.75 L12.2@140,53.325 ; D10.19@141.025,28.375 141.025,29.55 v1(141.35,29.875) ; C36.1@141.25,38.365 141.885,38.365 142.325,37.925 D10.8@142.325,33.975 142.325,31.7 142.75,31.275 143.625,32.15 D10.6@143.625,33.975 ; D10.29@144.275,32.575 D10.5@144.275,33.975 ; C34.2@144.5,16 145.385,16.885 C35.1@145.385,22 145.385,24.115 145.365,24.135 ; v1(145.25,31.175) v1(143.95,31.175) 142.875,31.175 143.95,32.25 144.75,32.25 144.925,32.425 D10.4@144.925,33.975 144.925,36.06 C38.1@145.25,36.385 145.575,36.06 D10.3@145.575,33.975 ; C37.1@147,24.135 145.365,24.135
  Bottom Layer w0.22: 137,29.75 137.125,29.875 v1(138.75,29.875) 138.75,28.75 ; 137,32.5 137.025,32.475 v1(138.75,32.475) 138.75,34 ; 140,28.5 140.05,28.55 v1(140.05,29.875) ; 140,34.25 140.05,34.2 v1(140.05,32.475) ; 141.25,34 141.35,33.9 v1(141.35,32.475) ; v1(141.35,29.875) 141.35,28.9 141.5,28.75 ; 143.75,34 143.95,33.8 v1(143.95,32.475) ; v1(143.95,29.875) 143.95,29.05 144,29 ; 145.25,28.75 v1(145.25,29.875) ; v1(145.25,32.475) 145.25,34 ; 146.5,29 146.55,29.05 v1(146.55,29.875) 147.875,29.875 148,29.75 ; 146.5,33.75 146.55,33.7 v1(146.55,32.475) 148.225,32.475 148.25,32.5
  other v1: 142.65,29.875 138.75,31.175 140.05,31.175 141.35,31.175 146.55,31.175 142.65,32.475
AGND3: C32.2 C33.1 C86.2 D9.20 D9.25 L16.2 | length 57.6
  Top Layer w0.22: C86.2@113.75,45.25 L16.2@113.75,49.575 ; D9.20@115.5,24.075 115.5,23.68 115.532,23.68 115.532,21.468 v1(116.25,20.75) ; D9.25@118.375,24.95 119.165,24.95 C33.1@120.5,23.615 122.635,23.615 C32.2@124.5,21.75 126.25,23.5 v1(126.25,33.25)
  Bottom Layer w0.22: C86.2@113.75,45.25 115.75,43.25 122.75,43.25 126.25,39.75 v1(126.25,33.25) ; v1(116.25,20.75) 123.5,20.75 C32.2@124.5,21.75
AIN4: X9.33
AIN5: X9.36
AIN6: X9.35
AUD_3V3: C27.1 C28.2 C29.1 C30.2 C67.1 D9.17 D9.28 L7.2 VD1.2 | length 91.2
  Top Layer w0.22: L7.2@97.5,47.575 97.25,47.325 C67.1@97.25,43.75 97.25,22.25 102.75,16.75 110.5,16.75 C27.1@112,18.25 111.865,18.385 C28.2@111.865,22.5 113,22.5 114,23.5 D9.17@114,24.075 ; D9.28@118.375,26.45 120.3,26.45 120.865,25.885 C30.2@121.25,25.885 125.135,25.885 C29.1@125.25,26 ; VD1.2@124.75,13.45 v1(125.95,13.45)
  Bottom Layer w0.22: C27.1@112,18.25 116.8,13.45 v1(125.95,13.45) 126,13.5 126.75,13.5 129.75,16.5 129.75,20 125.25,24.5 C29.1@125.25,26
AUD_5V: C32.1 C33.2 C86.1 D9.21 D9.24 L15.2 | length 52.9
  Top Layer w0.22: D9.21@116,24.075 116.045,24.03 116.045,22.493 116.75,21.788 119.593,21.788 119.69,21.885 ; C86.1@116.25,45.25 L15.2@116.25,49.575 ; D9.24@117.5,24.075 119.69,21.885 ; v1(127,28.75) 127,22.25 C32.1@124.5,19.75 122.635,19.75 C33.2@120.5,21.885 119.69,21.885
  Bottom Layer w0.22: C86.1@116.25,45.25 121.75,45.25 127,40 v1(127,28.75)
AUD_12V: C34.1 C35.2 C37.2 C39.1 C40.2 C41.2 C72.1 D10.15 D10.16 D10.27 D10.28 L11.2 R4.1 R5.1 | length 95.1
  Top Layer w0.22: C39.1@129.25,32 132.865,28.385 C40.2@133.5,28.385 C41.2@136,28.385 139.065,28.385 D10.16@139.075,28.375 ; L11.2@142.5,53.325 C72.1@142.5,48.75 147.5,43.75 ; R5.1@143.25,39.425 147.5,39.425 ; D10.27@146.225,28.375 146.225,26.64 C37.2@146.875,25.99 ; D10.28@146.875,28.375 C37.2@146.875,25.99 ; C34.1@147,16 147.115,16.115 C35.2@147.115,22 148,22.885 148,24.865 C37.2@147,25.865 ; R4.1@147.5,38.175 147.5,39.425 ; C37.2@146.875,25.99 C37.2@147,25.865 ; C37.2@147,25.865 147.865,25.865 148.75,26.75 148.75,42.5 147.5,43.75 ; 147.5,39.425 147.5,43.75
  Bottom Layer w0.22: C39.1@129.25,32 129.25,28 137.5,19.75 143.25,19.75 C34.1@147,16
AUDBCLK: D9.6 X9.31 | length 137.4
  Top Layer w0.22: v1(113.5,32) 113.5,31.622 115,30.122 D9.6@115,29.325 ; X9.31@200.325,73.656 201.5,72.481 v1(201.5,59)
  Bottom Layer w0.22: v1(113.5,32) 112.24,33.26 112.24,34.766 111.89,35.116 111.89,40.434 112.06,40.604 112.06,44.31 111.89,44.48 111.89,57.346 115.854,61.31 117.396,61.31 117.666,61.04 145.315,61.04 147.135,59.22 156.444,59.22 156.684,59.46 164.383,59.46 164.673,59.75 194.538,59.75 194.718,59.93 197.532,59.93 198.462,59 v1(201.5,59)
AUDMCLK: D9.8 X9.25 | length 129.9
  Top Layer w0.22: v1(111.75,30.75) 112.953,30.75 113.988,29.715 114,29.715 D9.8@114,29.325 ; X9.25@192.705,73.656 194,72.361 v1(194,61)
  Bottom Layer w0.22: v1(111.75,30.75) 111.36,31.14 111.36,34.401 111.01,34.751 111.01,40.798 111.18,40.968 111.18,43.945 111.01,44.115 111.01,57.711 115.489,62.19 117.761,62.19 118.031,61.92 145.68,61.92 147.5,60.1 156.08,60.1 156.32,60.34 164.019,60.34 164.499,60.82 164.904,60.82 165.084,61 184.538,61 184.718,60.82 185.282,60.82 185.462,61 v1(194,61)
AUDWCLK: D9.7 X9.29 | length 134.9
  Top Layer w0.22: v1(112.5,31.75) 112.75,31.75 114.5,30 D9.7@114.5,29.325 ; X9.29@197.785,73.656 199,72.441 v1(199,59.75)
  Bottom Layer w0.22: v1(112.5,31.75) 111.8,32.45 111.8,34.583 111.45,34.933 111.45,40.616 111.62,40.786 111.62,44.127 111.45,44.297 111.45,57.528 115.672,61.75 117.578,61.75 117.848,61.48 145.498,61.48 147.318,59.66 156.262,59.66 156.502,59.9 164.201,59.9 164.551,60.25 194.416,60.25 194.536,60.37 198.38,60.37 v1(199,59.75)
EHRPWM1A: X9.14 X11.1 | length 103.5
  Top Layer w0.22: v1@177.465,41.25 X9.14@177.465,71.116 ; v1(208.5,41.25) 208.858,41.25 225,25.108 225,6.9 X11.1@225.88,6.02
  Bottom Layer w0.22: v1(177.5,41.25) v1(208.5,41.25)
EXT0_INT0: X9.15 X12.A9 | length 161.9
  Top Layer w0.22: X12.A9@57.73,104.05 59.03,102.75 85.75,102.75 92,96.5 92,69.5 v1(92.25,69.25) ; X9.15@180.005,73.656 181.25,72.411 v1(181.25,67)
  Bottom Layer w0.22: v1(92.25,69.25) 93.73,67.77 115.521,67.77 115.591,67.84 116.908,67.84 117.008,67.74 159.867,67.74 159.987,67.62 160.38,67.62 161,67 v1(181.25,67)
EXT0_INT1: X9.16 X12.A11 | length 156.4
  Top Layer w0.25: X12.A11@57.73,98.97 58.95,97.75 86.25,97.75 91,93 91,67.5 v1(91.25,67.25) ; v1(180,65.75) 180,71.111 X9.16@180.005,71.116
  Bottom Layer w0.25: v1(91.25,67.25) 91.625,66.875 115.892,66.875 115.962,66.945 116.538,66.945 116.638,66.845 159.497,66.845 159.616,66.725 159.775,66.725 160.75,65.75 v1(180,65.75)
EXT1_INT0: X9.23 X14.A9 | length 147.4
  Top Layer w0.22: X14.A9@82.73,104.05 83.93,105.25 85.988,105.25 92.5,98.738 92.5,70.75 v1(93,70.25) ; X9.23@190.165,73.656 191.25,72.571 v1(191.25,67.75)
  Bottom Layer w0.22: v1(93,70.25) 95.04,68.21 115.339,68.21 115.409,68.28 117.091,68.28 117.191,68.18 160.05,68.18 160.169,68.06 160.69,68.06 161,67.75 v1(191.25,67.75)
EXT1_INT1: X9.27 X14.A11 | length 151.9
  Top Layer w0.22: X14.A11@82.73,98.97 84.01,100.25 86,100.25 91.5,94.75 91.5,68.5 v1(91.75,68.25) ; X9.27@195.245,73.656 196.5,72.401 v1(196.5,66.25)
  Bottom Layer w0.22: v1(91.75,68.25) 92.67,67.33 115.704,67.33 115.773,67.4 116.726,67.4 116.826,67.3 159.685,67.3 159.805,67.18 160.07,67.18 161,66.25 165.391,66.25 179.538,66.25 179.718,66.43 180.282,66.43 180.462,66.25 v1(196.5,66.25)
EXT_CLK: D1.3 D2.3 X9.42 | length 163.4
  Top Layer w0.22: v1(156.75,62.75) 156.82,62.82 156.82,80.479 156.81,80.489 156.81,118.437 162.442,124.07 162.782,124.07 163.25,124.538 v1(163.25,127) 163.25,132.25 164.25,133.25 D1.3@167.375,133.25 ; v1(178.75,127) 178.295,127.455 178.295,131.795 179.75,133.25 D2.3@182.375,133.25
  Bottom Layer w0.22: v1(156.75,62.75) 163.544,62.75 163.854,63.06 165.146,63.06 165.46,62.746 204.655,62.746 X9.42@213.025,71.116 ; v1(163.25,127) 168.68,127 170.26,125.42 173.469,125.42 173.489,125.44 175.511,125.44 175.531,125.42 176.24,125.42 177.82,127 v1(178.75,127)